# Altium PCB Jetson AGX Xavier Carrier Board.PcbDoc (part 3 of 4)
Units mil, origin at the board's own origin, x right, y up, seen from the top; angles counter-clockwise.
Board outline 6000 x 4000 mil, 10 copper layers (Top Layer, Int1 (GND), Int2 (PWR), Int3 (Sign), Int4 (GND, Int5 (GND), Int6 (Sign), Int7 (PWR), Int8 (GND), Bottom Layer), stack 61.78 mil thick; 553 components, 749 nets, 2510 pads, 297 vias.
Unrouted connection lines stored in the file: 1324.
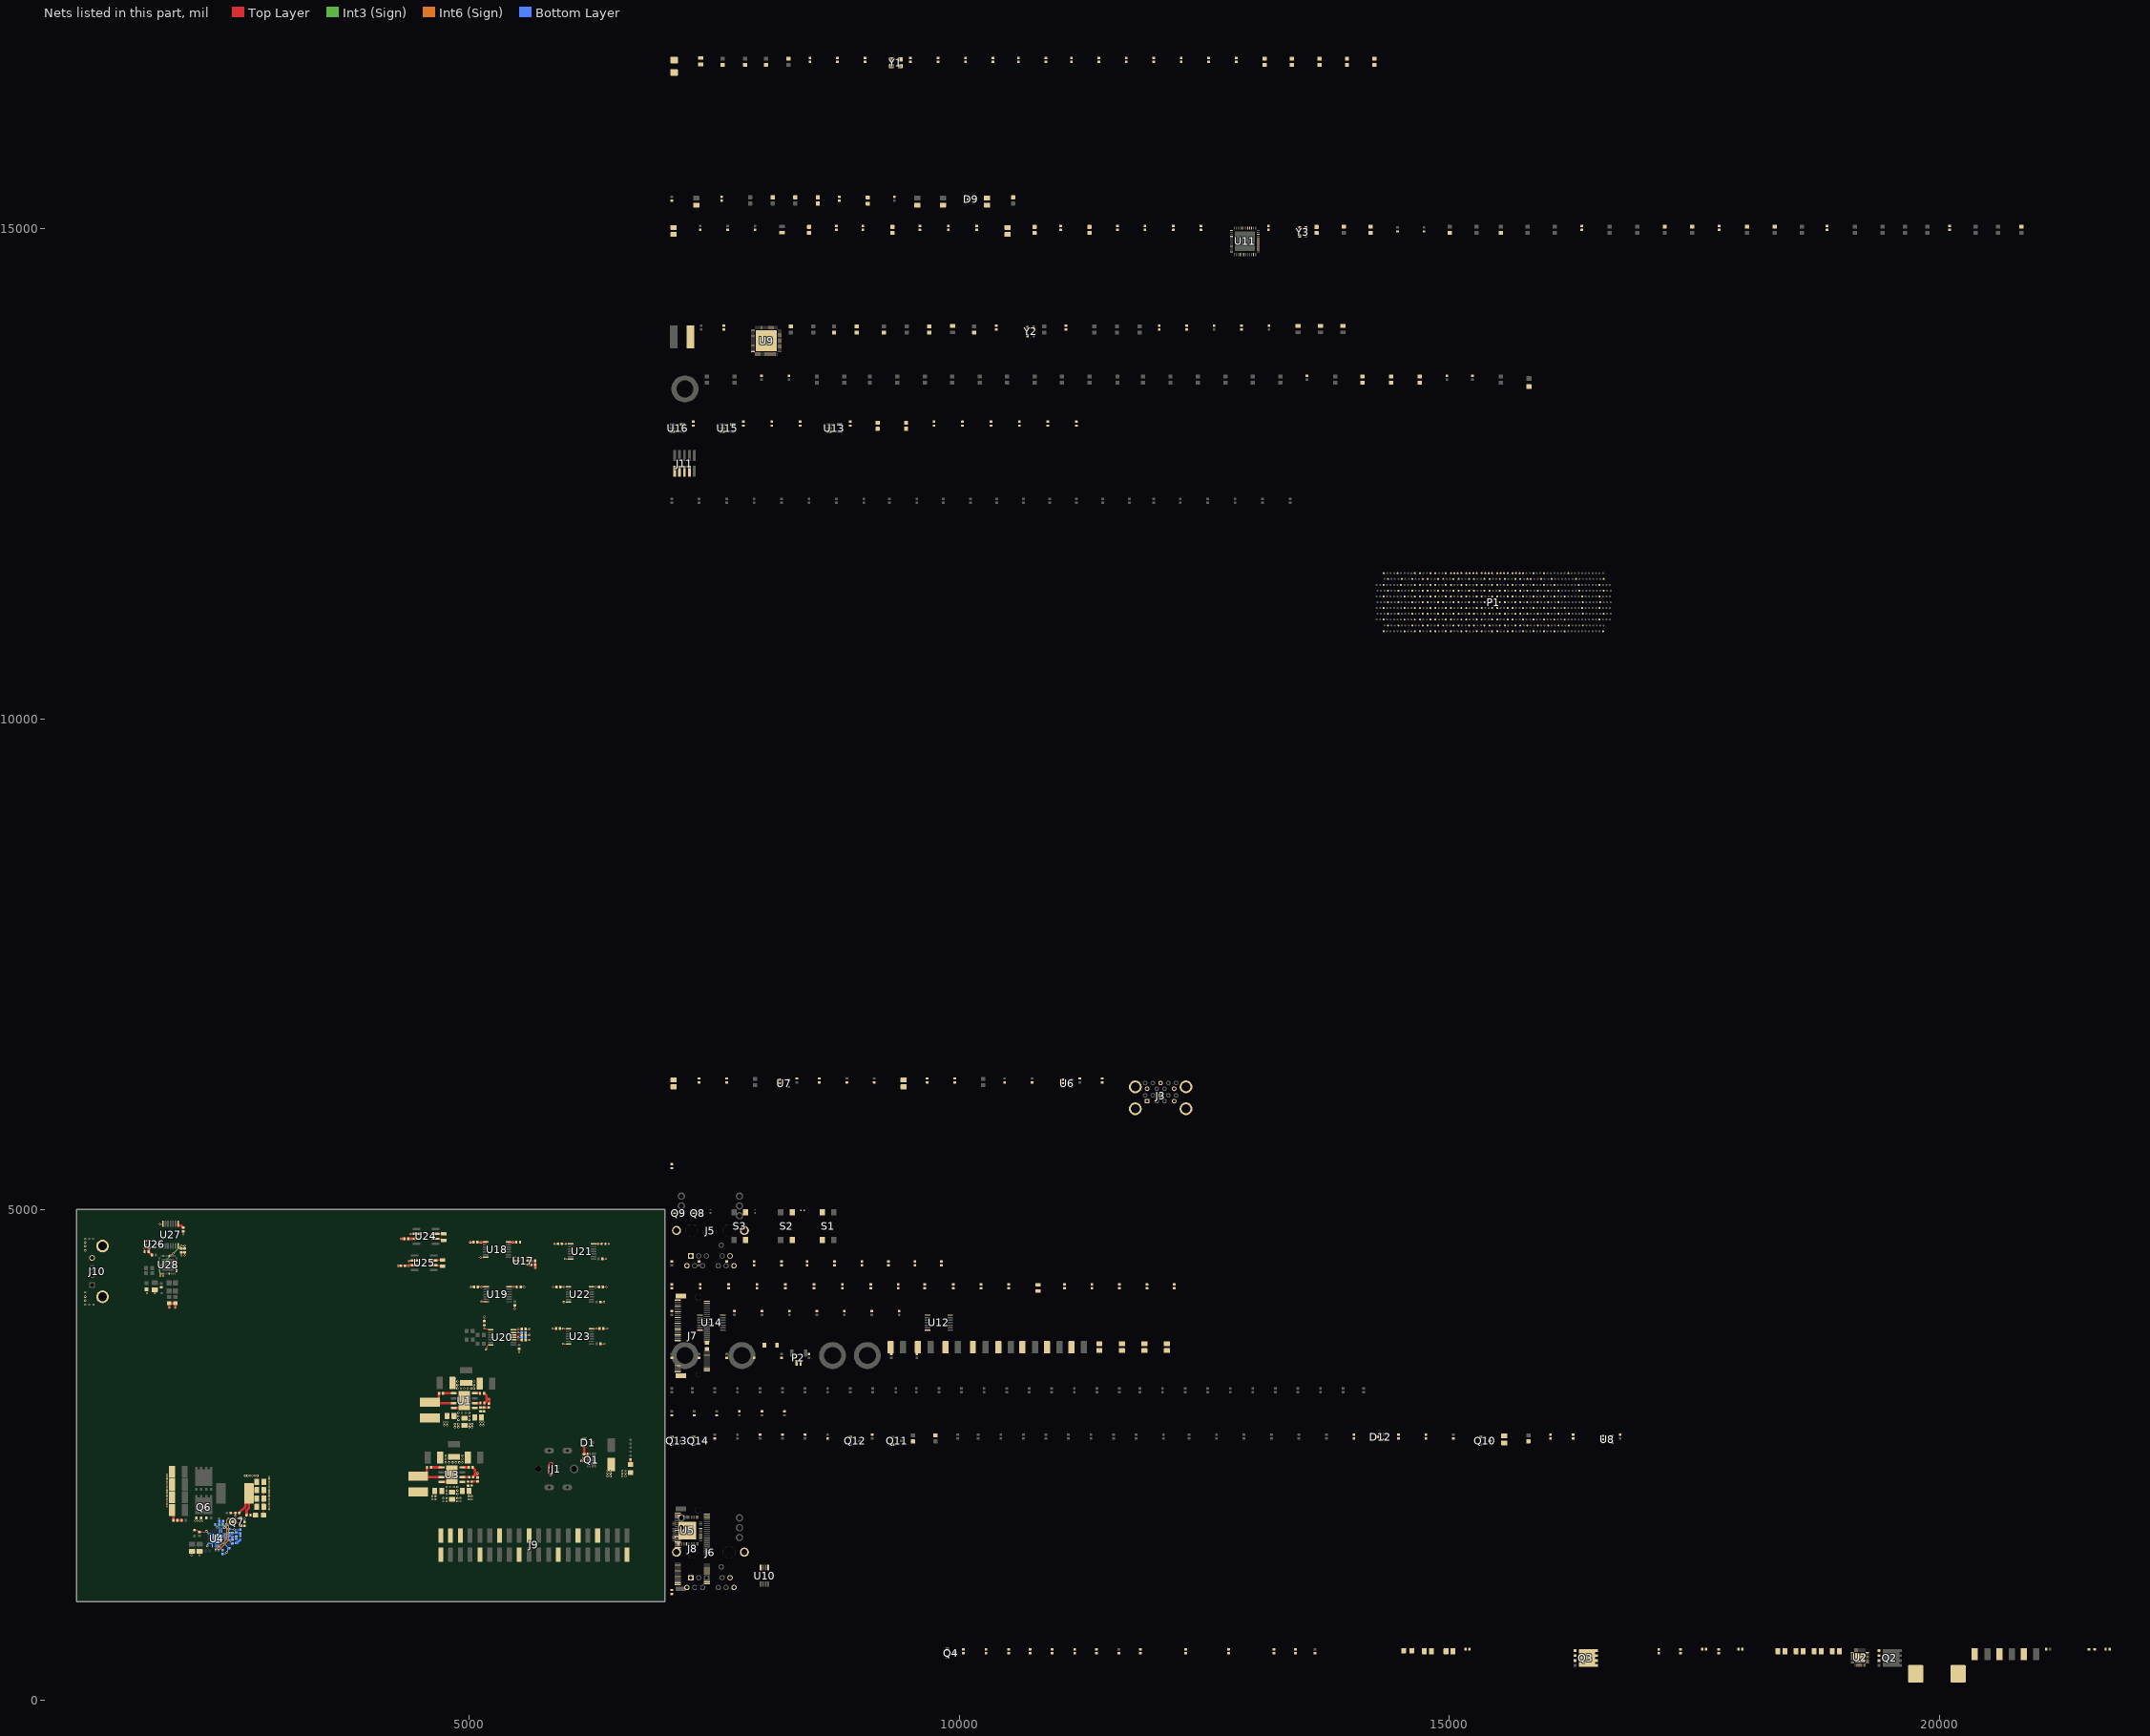
[diagram p11: the nets of this part, all layers, seen from the top]

## Part data (continued)
C219 C220 C228 C231: "Ceramic Capacitor, Multilayer, Ceramic, 16V, 5% +Tol, 5% -Tol, X7R, 15% TC, 0.01uF, Surface Mount, 0402", Capacitance=10nF, Capacitor Type=Ceramic, Manufacturer=KEMET, Manufacturer Part Number=C0402C103J4RACTU, Max Operating Temperature=125°C, Min Operating Temperature=-55°C, Negative Tolerance=5%, Package Shape=Rectangular, Package Style=SMTMeter, Rated DC Voltage (URdc)=16V, Supplier Part Number 1=399-1039-1-ND, Temperature Characteristics Code=X7R, Category="Ceramic Capacitors", ComponentLink1Description=https://datasheet.ciiva.com:443/pdfs/VipMasterIC/IC/KEME/KEME-S-A0008991654/KEME-S-A0008991654-1.pdf?src-supplier=IHS+Markit, ComponentLink1URL=https://datasheet.ciiva.com:443/pdfs/VipMasterIC/IC/KEME/KEME-S-A0008991654/KEME-S-A0008991654-1.pdf?src-supplier=IHS+Markit, ComponentLink2Description=https://datasheet.ciiva.com/14593/70095383-14593069.pdf?src-supplier=Allied+Electronics, ComponentLink2URL=https://datasheet.ciiva.com/14593/70095383-14593069.pdf?src-supplier=Allied+Electronics, ComponentLink3Description=https://datasheet.ciiva.com/14604/70095383-14604557.pdf?src-supplier=Allied+Electronics, ComponentLink3URL=https://datasheet.ciiva.com/14604/70095383-14604557.pdf?src-supplier=Allied+Electronics, ComponentLink4Description=https://datasheet.ciiva.com/7747/kem-c1002-x7r-smd-7747611.pdf?src-supplier=Element14, ComponentLink4URL=https://datasheet.ciiva.com/7747/kem-c1002-x7r-smd-7747611.pdf?src-supplier=Element14, ComponentLink5Description=https://datasheet.ciiva.com/46448/1851736-46448647.pdf?src-supplier=Element14, ComponentLink5URL=https://datasheet.ciiva.com/46448/1851736-46448647.pdf?src-supplier=Element14, ComponentLink6Description=https://datasheet.ciiva.com/28645/1851736-28645374.pdf?src-supplier=Element14, ComponentLink6URL=https://datasheet.ciiva.com/28645/1851736-28645374.pdf?src-supplier=Element14, Dielectric Material=Ceramic, Height=0.5mm, JESD-609 Code=e3, Length=1mm, Mount="Surface Mount", Multilayer=Yes, Number of Pins=2, Packaging="Tape and Reel", Positive Tolerance=5%, Pricing 1="1=0.10000, 10=0.04000, 50=0.02200, 100=0.01800, 500=0.01288, 1000=0.01012, 2500=0.00920, 5000=0.00846 (USD)", REACH SVHC=Yes, RoHS=Yes, RoHS Compliant=Yes, Size Code=0402, Stock 1=29300, Supplier 1=Digi-Key, Terminal Finish=Nickel, Termination=Wraparound, Width=0.5mm
C248: "CAP CER 0.1UF 16V X7R 0603", Dielectric=X7R, Manufacturer 1=Yageo, Manufacturer Part Number 1=CC0603KRX7R7BB104, Package/Footprint=0603, Supplier Part Number 1=311-1088-1-ND, Voltage Rating=16V, Supplier 1=Digi-Key
C250 C251 C253 C254 C255 C256 C257 C258 C259 C260 C261 C262: "CAP CER 0.1UF 10V X7R 0402", Manufacturer 1="Murata Electronics", Manufacturer Part Number 1=GRM155R71A104KA01D, Package/Footprint=0402, Supplier Part Number 1=490-6321-1-ND, Voltage Rating=10V, Supplier 1=Digi-Key
C252 C268: "CAP CER 1UF 25V X5R 0402", Manufacturer 1="TDK Corporation", Manufacturer Part Number 1=C1005X5R1E105K050BE, Package=0402, Supplier Part Number 1=445-175215-1-ND, Voltage=25V, Supplier 1=Digi-Key
C269: "CAP CER 4.7UF 16V X6S 0603", Dielectric=X6S, Manufacturer 1="Murata Electronics", Manufacturer Part Number 1=GRM188C81C475KE11D, Package=0603, Supplier Part Number 1=490-13362-1-ND, Voltage Rating=16V, Mounting Type=SMD, Supplier 1=Digi-Key
D1: "DIODE ZENER 27V 250MW SOT23", Forward Voltage=0.9V, Manufacturer 1="Nexperia USA Inc.", Manufacturer Part Number 1=BZX84-C27,215, Supplier Part Number 1=1727-5026-2-ND, Working Voltage=27V, Supplier 1=Digi-Key
D2 D4 D6 D14 D15 D16: "LED GREEN DIFFUSED 0805 SMD", Forward Voltage Drop=2.2V, Manufacturer 1=OSRAM, Manufacturer Part Number 1="LG R971-KN-1", Package/Footprint=0805, Supplier Part Number 1=475-1410-1-ND, Mounting Type=SMD, Supplier 1=Digi-Key
D3 D5: library part DIO_30V_200mA, "Diode Super Barrier 30 V 200mA Surface Mount SOD-523", Manufacturer 1="Diodes Incorporated", Supplier Part Number 1=SBR0230T5-7TR-ND, Manufacturer Part Number 1=SBR0230T5-7, Supplier 1=Digi-Key
D7: "DIODE ZENER 2.7V 500MW SOD123", Forward Voltage="900mV @ 10mA", Manufacturer 1="On Semiconductor", Package=SOD-123, Power - Max=500mW, Voltage - Zener=2.7V
D8 D10 D11: "TVS DIODE 5VWM 12.3VC SOD923", Clamping Voltage-Max=12.3V, Manufacturer 1="ON Semiconductor", Manufacturer Part Number 1=ESD9X5.0ST5G, Min Breakdown Voltage=6.2V, Supplier Part Number 1=ESD9X5.0ST5GOSCT-ND, Supplier 1=Digi-Key
D9: library part DIODE_30V_SOT323, "Diode Array 1 Pair Common Cathode Schottky 30 V 200mA (DC) Surface Mount SC-70, SOT-323", Built_By=EMA_Anthony, Copyright="Copyright (C) 2016 Accelerated Designs. All rights reserved", Manufacturer_Part_Number=BAT54CW-7-F, RefDes=RefDes, SourceLibrary=Diodes_Inc_2018-12-15, Type=DEV, Vendor="Diodes Inc"
D12: "DIODE ARRAY SCHOTTKY 70V SOT323", Current - Average Rectified (Io) (per diode)=70mA, Current - Reverse Leakage @ Vr="100nA @ 50V", Manufacturer 1="Diodes Incorporated", Package=SOT-323, Supplier Part Number 1=BAS70W-05FDICT-ND, Voltage - DC Reverse (Vr) (Max)=70V, Voltage - Forward (Vf) (Max) @ If="1V @ 15mA", Diode Configuration="1 Pair Common Cathode", Diode Type=Schottky, Manufacturer Part Number 1=BAS70W-05-7-F, Supplier 1=Digi-Key
H1 H2 H3 H4 M1: "ROUND STANDOFF M3X0.5 STEEL 4MM", Manufacturer 1="Würth Elektronik", Manufacturer Part Number 1=9774040360R, Supplier Part Number 1=732-5271-1-ND, Supplier 1=Digi-Key
J1: "CONN PWR JACK 2.5X5.5MM SOLDER", Current Rating=10A, Manufacturer 1="CUI Devices", Manufacturer Part Number 1=PJ-082BH, Supplier Part Number 1=CP-082BHCT-ND, Voltage Rating=24VDC, Supplier 1=Digi-Key
J3: "CONN RCPT USB3.0 TYPEA STACK R/A", Current Rating="0.25A, 1.8A", Manufacturer 1=Molex, Manufacturer Part Number 1=0484060003, Supplier Part Number 1=WM10420-ND, Voltage Rating=30VAC/DC, Mounting Type="Through Hole, Right Angle", Number of Ports=2, Specifications="USB 3.2 Gen 1", Supplier 1=Digi-Key
J5 J6: "1 Port RJ45 Magjack Connector Through Hole 10/100/1000 Base-T, AutoMDIX", Package="Custom Package Pulse Electronics Network", Digi-Key_Part_Number=553-1852-ND, Digi-Key_Purchase_URL=https://www.digikey.com/product-detail/en/pulse-electronics-network/J0G-0003NL/553-1852-ND/2264761?utm_source=snapeda&utm_medium=aggregator&utm_campaign=symbol, MF="Pulse Electronics", MP=J0G-0003NL, SnapEDA_Link=https://www.snapeda.com/parts/J0G-0003NL/Pulse%20Electronics%20Network/view-part/368728/?ref=snap
J7: "CONN M.2 FEMALE 67POS 0.020 GOLD", Manufacturer 1="TE Connectivity", Supplier Part Number 1=A115900CT-ND, Gender=Female, Manufacturer Part Number 1=2199119-4, Number of Positions=67, Pitch="0.020\" (0.50mm)", Supplier 1=Digi-Key
J8: "Card Edge Connector, 67 Contact(s), 2 Row(s), Female, Right Angle, 0.019 inch Pitch, Locking, Black Insulator, Socket", Manufacturer="TE Connectivity", Manufacturer Part Number=1-2199119-5, Supplier Part Number 1=A115902CT-ND, Category="Card Edge Connectors", ComponentLink1Description=https://datasheet.ciiva.com:443/pdfs/VipMasterIC/IC/TYEL/TYEL-S-A0008646546/TYEL-S-A0008667243-1.pdf?src-supplier=IHS+Markit, ComponentLink1URL=https://datasheet.ciiva.com:443/pdfs/VipMasterIC/IC/TYEL/TYEL-S-A0008646546/TYEL-S-A0008667243-1.pdf?src-supplier=IHS+Markit, ComponentLink2Description=https://datasheet.ciiva.com/18495/eng-cd-2199119-c-c-2199119-c-18495963.pdf?src-supplier=Digi-Key, ComponentLink2URL=https://datasheet.ciiva.com/18495/eng-cd-2199119-c-c-2199119-c-18495963.pdf?src-supplier=Digi-Key, ComponentLink3Description=https://datasheet.ciiva.com/18495/eng-cd-2199119-c-c-2199119-c-18495964.pdf?src-supplier=Digi-Key, ComponentLink3URL=https://datasheet.ciiva.com/18495/eng-cd-2199119-c-c-2199119-c-18495964.pdf?src-supplier=Digi-Key, ComponentLink4Description=https://datasheet.ciiva.com/18495/eng-cd-2199119-c-c-2199119-c-18495965.pdf?src-supplier=Digi-Key, ComponentLink4URL=https://datasheet.ciiva.com/18495/eng-cd-2199119-c-c-2199119-c-18495965.pdf?src-supplier=Digi-Key, Connector Type="CARD EDGE CONNECTOR", Pricing 1="1=1.28000, 10=1.12400, 25=1.05760, 50=1.01340, 100=0.96940, 250=0.88128, 500=0.79314 (USD)", REACH SVHC=Yes, RoHS=Yes, RoHS Compliant=Yes, Stock 1=13599, Supplier 1=Digi-Key
J9: "CONN HEADER SMD 40POS 2.54MM", Manufacturer 1="Samtec Inc.", Supplier Part Number 1=SAM14896CT-ND, Manufacturer Part Number 1=TSM-120-01-S-DV-P-TR, Supplier 1=Digi-Key
J10: "USB-A (USB TYPE-A) USB 2.0 Receptacle Connector 4 Position Through Hole, Right Angle", Manufacturer 1=GCT, Manufacturer Part Number 1=USB1130-15-A, Supplier Part Number 1=2073-USB1130-15-ACT-ND, Supplier 1=Digi-Key
J11: "CONN HEADER SMD 10POS 1.27MM", Manufacturer 1=Samtec, Manufacturer Part Number 1=FTSH-105-01-F-DV-K, Supplier Part Number 1=SAM8796-ND, Mounting Type=SMD, Pitch=1.27mm, Supplier 1=Digi-Key
L1: "FIXED IND 1UH 29A 2.5 MOHM SMD", Current Rating=29A, DC Resistance (DCR)=2.5mOhm, Inductance=1μH, Inductance Tolerance=20%, Manufacturer 1="Bourns Inc.", Manufacturer Part Number 1=SRP1250-1R0M, Saturation Current=50A, Supplier Part Number 1=SRP1250-1R0MCT-ND, Test Frequency=100kHz, Mounting Type=SMD, Supplier 1=Digi-Key
L2 L4: "FIXED IND 3.3UH 5A 21 MOHM SMD", Current Rating=5A, DC Resistance (DCR)=21mOhm, Inductance=3.3μH, Inductance Tolerance=30%, Manufacturer 1="Bourns Inc.", Manufacturer Part Number 1=SRN6045TA-3R3Y, Saturation Current=7.8A, Supplier Part Number 1=SRN6045TA-3R3YCT-ND, Test Frequency=1MHz, Mounting Type=SMD, Supplier 1=Digi-Key
L3: "FIXED IND 2.2UH 14.5A 9.41 MOHM", Current Rating=14.5A, DC Resistance (DCR)=9.41mOhm, Inductance=2.2μH, Inductance Tolerance=20%, Manufacturer 1="Vishay Dale", Manufacturer Part Number 1=IHLP3232DZER2R2M11, Saturation Current=10.2A, Supplier Part Number 1=541-1350-1-ND, Test Frequency=100kHz, Mounting Type=SMD, Supplier 1=Digi-Key
L5: "FIXED INDUCTOR 3.3UH SMD", Current Rating=1.9A, Inductance=3.3uH, Inductance Tolerance=20%, Manufacturer 1=KEMET, Manufacturer Part Number 1=L0603B3R3MDWFT, Saturation Current=2.3A, Self Resonant Frequency=13MHz, Supplier Part Number 1=SRN6045-150MCT-ND, Test Frequency=100kHz, ComponentLink7Description=https://datasheet.ciiva.com/4954/srn6045-70649-4954231.pdf?src-supplier=Mouser, ComponentLink7URL=https://datasheet.ciiva.com/4954/srn6045-70649-4954231.pdf?src-supplier=Mouser, ComponentLink8Description=https://datasheet.ciiva.com/1056/srn6045-1056106.pdf?src-supplier=Digi-Key, ComponentLink8URL=https://datasheet.ciiva.com/1056/srn6045-1056106.pdf?src-supplier=Digi-Key, ComponentLink9Description=https://datasheet.ciiva.com/1056/srn6045-1056108.pdf?src-supplier=Digi-Key, ComponentLink9URL=https://datasheet.ciiva.com/1056/srn6045-1056108.pdf?src-supplier=Digi-Key, Composition=Wirewound, DC Current=1.9A, Military Standard=Not, Number of Pins=2, RMS Current (Irms)=1.9A, Shielding=Shielded, Supplier 1=Digi-Key
P1: "CONN SELF-MATE 699POS SMD GOLD", Manufacturer 1=Molex, Manufacturer Part Number 1=203456-0003, Supplier Part Number 1=WM25528CT-ND, Supplier 1=Digi-Key
P2: library part SAMTEC_T1M-02-F-SV-L, "CONN HEADER SMD 2POS 1MM", Manufacturer 1=Samtec, Manufacturer Part Number 1=T1M-02-F-SV-L, Supplier Part Number 1=SAM15469CT-ND, Supplier 1=Digi-Key
Q1: "MOSFET P-CH 30V 70A POWERDI3333", Manufacturer 1="Diodes Incorporated", Manufacturer Part Number 1=DMP3007SFG-7, Package/Footprint=PowerDI3333-8, Power Dissipation (Max)="2.8W (Ta)", Supplier Part Number 1=DMP3007SFG-7DICT-ND, Id=70A, Mounting Type=SMD, Supplier 1=Digi-Key, Vdss=30V, Verified=No, Vgs (Max)=25V
Q2 Q3 Q5 Q6: "MOSFET N-CH 30V 60A 8VSON", Manufacturer 1="Texas Instruments", Manufacturer Part Number 1=CSD17577Q5AT, Package/Footprint=8-PowerTDFN, Supplier Part Number 1=296-38337-1-ND, Id=60A, Mounting Type=SMD, Supplier 1=Digi-Key, Vdss=30V, Verified=No, Vgs (Max)=±20V
Q4 Q7: "Bipolar (BJT) Transistor NPN 40 V 600 mA 250MHz 310 mW Surface Mount SOT-23-3", Current - Collector (Ic) (Max)=600mA, Current - Collector Cutoff (Max)=100nA, Frequency - Transition=250MHz, Manufacturer 1="Diodes Incorporated", Supplier Part Number 1=MMBT4401-FDICT-ND, Manufacturer Part Number 1=MMBT4401-7-F, Supplier 1=Digi-Key, Vce Saturation (Max) @ Ib, Ic="750mV @ 50mA, 500mA"
Q8 Q9: "MOSFET 2N-CH 30V 0.25A SOT-363", DS Breakdown Voltage-Min=30V, Manufacturer 1="ON Semiconductor", Manufacturer Part Number 1=NTJD4001NT1G, Supplier Part Number 1=NTJD4001NT1GOSCT-ND, Supplier 1=Digi-Key
Q10: "MOSFET N-CH 25V 260MA SOT23", Manufacturer 1="Diodes Incorporated", Package/Footprint=SOT-23, Supplier Part Number 1=DMG301NU-13DICT-ND, Id="260mA (Ta)", Manufacturer Part Number 1=DMG301NU-13, Mounting Type=SMD, Supplier 1=Digi-Key, Vdss=25V, Verified=No, Vgs (Max)=±8V
Q11 Q12 Q13 Q14: "MOSFET N-CH 60V 170MA SOT23", Manufacturer 1="Diodes Incorporated", Package/Footprint=SOT-23, Supplier Part Number 1=2N7002H-7DICT-ND, Id=170mA, Manufacturer Part Number 1=2N7002H-7, Mounting Type=SMD, Supplier 1=Digi-Key, Vdss=60V, Verified=No, Vgs (Max)=±20V
R1 R2 R3 R4 R6 R20: "Fixed Resistor, Metal Glaze/thick Film, 0.063W, 1000ohm, 50V, 1% +/-Tol, 100ppm/Cel, Surface Mount, 0402", Manufacturer="Stackpole Electronics", Manufacturer Part Number=RMCF0402FT1K00, Max Operating Temperature=155°C, Min Operating Temperature=-55°C, Package Height=0.3mm, Package Length=1mm, Package Shape=Rectangular, Package Style=SMTMeter, Package Width=0.5mm, Rated Power Dissipation (P)=63mW, Rated Temperature=70°C, Resistance=1kΩ, Resistor Type="FIXED RESISTOR", Supplier Part Number 1=RMCF0402FT1K00CT-ND, Temperature Coefficient=100ppm/°C, Tolerance=1%, Working Voltage=50V, Category="Chip SMD Resistors", ComponentLink1Description=https://datasheet.ciiva.com:443/pdfs/VipMasterIC/IC/SEIE/SEIE-S-A0009541969/SEIE-S-A0009541969-1.pdf?src-supplier=IHS+Markit, ComponentLink1URL=https://datasheet.ciiva.com:443/pdfs/VipMasterIC/IC/SEIE/SEIE-S-A0009541969/SEIE-S-A0009541969-1.pdf?src-supplier=IHS+Markit, ComponentLink2Description=https://datasheet.ciiva.com/15193/getdatasheetpartid-365385-15193418.pdf?src-supplier=Verical, ComponentLink2URL=https://datasheet.ciiva.com/15193/getdatasheetpartid-365385-15193418.pdf?src-supplier=Verical, ComponentLink3Description=https://datasheet.ciiva.com/24336/sei-rmcp-24336266.pdf?src-supplier=Onlinecomponents.com, ComponentLink3URL=https://datasheet.ciiva.com/24336/sei-rmcp-24336266.pdf?src-supplier=Onlinecomponents.com, Construction=Rectangular, JESD-609 Code=e3, Mount="Surface Mount", Number of Pins=2, Packaging="Tape and Reel", Pricing 1="1=0.10000, 10=0.01500, 100=0.00610, 1000=0.00274, 2500=0.00238, 5000=0.00197 (USD)", REACH SVHC=Yes, Reference Standard=AEC-Q200, RoHS=Yes, RoHS Compliant=Yes, Size Code=0402, Stock 1=277, Supplier 1=Digi-Key, Technology="METAL GLAZE/THICK FILM", Terminal Finish=Nickel, Termination=Wraparound
R5 R19: "RES 2.21 OHM 1% 1/16W 0402", Manufacturer 1=Yageo, Manufacturer Part Number 1=RMCF0402FT2R21, Package/Footprint=0402, Power="0.063W, 1/16W", Supplier Part Number 1=RMCF0402FT2R21CT-ND, Tolerance=1%, Mounting Type=SMD, Supplier 1=Digi-Key
R7: "RES SMD 2.15K OHM 1% 1/16W 0402", Manufacturer 1=Yageo, Manufacturer Part Number 1=RC0402FR-072K15L, Package/Footprint=0402, Power="0.063W, 1/16W", Supplier Part Number 1=YAG3097CT-ND, Tolerance=1%, Mounting Type=SMD, Supplier 1=Digi-Key
R8: "RES 32K OHM 1% 1/16W 0402", Manufacturer 1="Vishay Dale", Manufacturer Part Number 1=RN73H1ETTP3202F50, Package/Footprint=0402, Supplier Part Number 1=2019-RN73H1ETTP3202F50CT-ND, Tolerance=1%, Supplier 1=Digi-Key
R9 R23: "RES SMD 20K OHM 1% 1/16W 0402", Manufacturer 1=Yageo, Manufacturer Part Number 1=RC0402FR-0720KL, Package/Footprint=0402, Power="0.063W, 1/16W", Supplier Part Number 1=311-20.0KLRCT-ND, Tolerance=1%, Mounting Type=SMD, Supplier 1=Digi-Key
R10 R24: "RES SMD 56.2K OHM 1% 1/16W 0402", Manufacturer 1=Yageo, Manufacturer Part Number 1=RC0402FR-0756K2L, Package/Footprint=0402, Power="0.063W, 1/16W", Supplier Part Number 1=YAG3187CT-ND, Tolerance=1%, Mounting Type=SMD, Supplier 1=Digi-Key
R11 R13: "RES SMD 4.53K OHM 1% 1/16W 0402", Manufacturer 1=Yageo, Manufacturer Part Number 1=RC0402FR-074K53L, Package/Footprint=0402, Supplier Part Number 1=311-4.53KLRCT-ND, Tolerance=1%, Supplier 1=Digi-Key
R12: "RES SMD 191 OHM 1% 1/16W 0402", Manufacturer 1=Yageo, Manufacturer Part Number 1=RC0402FR-07191RL, Package/Footprint=0402, Power="0.063W, 1/16W", Supplier Part Number 1=YAG3023CT-ND, Tolerance=1%, Mounting Type=SMD, Supplier 1=Digi-Key
R14: "RES 23.7K OHM 1% 1/16W 0402", Manufacturer 1="Stackpole Electronics Inc", Manufacturer Part Number 1=RMCF0402FT23K7, Package/Footprint=0402, Power="0.063W, 1/16W", Supplier Part Number 1=RMCF0402FT23K7CT-ND, Tolerance=1%, Mounting Type=SMD, Supplier 1=Digi-Key
R15 R29: "RES 11K OHM 1% 1/16W 0402", Manufacturer 1="Stackpole Electronics Inc", Manufacturer Part Number 1=RMCF0402FT11K0, Package/Footprint=0402, Power="0.063W, 1/16W", Supplier Part Number 1=RMCF0402FT11K0CT-ND, Tolerance=1%, Mounting Type=SMD, Supplier 1=Digi-Key
R16: "RES SMD 2.87K OHM 1% 1/16W 0402", Manufacturer 1=Yageo, Manufacturer Part Number 1=RC0402FR-072K87L, Package/Footprint=0402, Supplier Part Number 1=YAG3105CT-ND, Tolerance=1%, Supplier 1=Digi-Key
R17 R31: "RES SMD 86.6K OHM 1% 1/16W 0402", Manufacturer 1=Yageo, Manufacturer Part Number 1=RC0402FR-0786K6L, Package/Footprint=0402, Power="0.063W, 1/16W", Supplier Part Number 1=YAG3249CT-ND, Tolerance=1%, Mounting Type=SMD, Supplier 1=Digi-Key
R18: "RES 2.74K OHM 1% 1/16W 0402", Manufacturer 1="Stackpole Electronics Inc", Manufacturer Part Number 1=RMCF0402FT2K74, Package/Footprint=0402, Power="0.063W, 1/16W", Supplier Part Number 1=RMCF0402FT2K74CT-ND, Tolerance=1%, Mounting Type=SMD, Supplier 1=Digi-Key
R21: "RES SMD 845 OHM 1% 1/16W 0402", Manufacturer 1="Vishay Dale", Manufacturer Part Number 1=CRCW0402845RFKED, Package/Footprint=0402, Power="0.063W, 1/16W", Supplier Part Number 1=541-845LCT-ND, Tolerance=1%, Mounting Type=SMD, Supplier 1=Digi-Key
R22: "RES SMD 13.7K OHM 1% 1/16W 0402", Manufacturer 1=Yageo, Manufacturer Part Number 1=RC0402FR-0713K7L, Package/Footprint=0402, Power="0.063W, 1/16W", Supplier Part Number 1=311-13.7KLRCT-ND, Tolerance=1%, Mounting Type=SMD, Supplier 1=Digi-Key
R25 R28: "RES 7.87K OHM 1% 1/16W 0402", Manufacturer 1="Vishay Dale", Manufacturer Part Number 1=RMCF0402FT7K87, Package/Footprint=0402, Power="0.063W, 1/16W", Supplier Part Number 1=RMCF0402FT7K87CT-ND, Tolerance=1%, Mounting Type=SMD, Supplier 1=Digi-Key
R26: "RES SMD 124 OHM 1% 1/16W 0402", Manufacturer 1="Vishay Dale", Manufacturer Part Number 1=RC0402FR-07124RL, Package/Footprint=0402, Power="0.063W, 1/16W", Supplier Part Number 1=311-124LRCT-ND, Tolerance=1%, Mounting Type=SMD, Supplier 1=Digi-Key
R27: "RES SMD 24K OHM 1% 1/16W 0402", Manufacturer 1=Yageo, Manufacturer Part Number 1=RC0402FR-0724KL, Package/Footprint=0402, Power="0.063W, 1/16W", Supplier Part Number 1=311-24KLRCT-ND, Tolerance=1%, Mounting Type=SMD, Supplier 1=Digi-Key
R30: "RES SMD 3.48K OHM 1% 1/16W 0402", Manufacturer 1="Vishay Dale", Manufacturer Part Number 1=RC0402FR-073K48L, Package/Footprint=0402, Power="0.063W, 1/16W", Supplier Part Number 1=YAG3148CT-ND, Tolerance=1%, Mounting Type=SMD, Supplier 1=Digi-Key
R32: "RES 4.42K OHM 1% 1/16W 0402", Manufacturer 1="Stackpole Electronics Inc", Manufacturer Part Number 1=RMCF0402FT4K42, Package/Footprint=0402, Power="0.063W, 1/16W", Supplier Part Number 1=RMCF0402FT4K42CT-ND, Tolerance=1%, Mounting Type=SMD, Supplier 1=Digi-Key
R33 R81 R82 R83 R84 R88 R91 R143 R145 R147 R148 R149 R150 R151 R152 R153 R154 R155 R156 R157 R158 R159 R160 R161 R162 R184 R187: "RES 0 OHM JUMPER 1/10W 0603", Manufacturer 1=Yageo, Manufacturer Part Number 1=RC0603JR-070RL, Package=0603, Supplier Part Number 1=311-0.0GRCT-ND, Mounting Type=SMD, Supplier 1=Digi-Key
R34 R35 R36 R37 R38 R39 R47 R113 R114 R117 R118 R119 R120 R121 R122 R123 R124 R125 R126 R127 R132 R133 R134 R135 R136 R137 R138 R139 R167 R183 R188 R189 R190 R191 R192 R193 R194 R195 R196 R197: "RES 10K OHM 1% 1/16W 0402", Manufacturer 1="Samsung Electro-Mechanics", Manufacturer Part Number 1=RC1005F103CS, Package=0402, Resistance=10kΩ, Supplier Part Number 1=1276-3431-1-ND, Tolerance=1%, Supplier 1=Digi-Key
R40 R44: library part RES_4.7kΩ_0603_5%, "RES 4.7K OHM 5% 1/10W 0603", Manufacturer 1=Yageo, Manufacturer Part Number 1=RC0603JR-074K7L, Supplier Part Number 1=311-4.7KGRCT-ND, Supplier 1=Digi-Key
R41 R46 R76 R77: "RES SMD 100K OHM 5% 1/10W 0402", Manufacturer 1="Panasonic Electronic Components", Manufacturer Part Number 1=ERJ-2GEJ104X, Package/Footprint=0402, Power="0.1W, 1/10W", Supplier Part Number 1=P100KJCT-ND, Tolerance=5%, Mounting Type=SMD, Supplier 1=Digi-Key
R42: "RES 10K OHM 5% 1/10W 0603", Manufacturer 1=Yageo, Manufacturer Part Number 1=RC0603JR-0710KL, Package/Footprint=0603, Supplier Part Number 1=311-10KGRCT-ND, Mounting Type=SMD, Supplier 1=Digi-Key
R43: library part RES_100Ω_0603_1%, "RES 100 OHM 1% 1/10W 0603", Manufacturer 1=Yageo, Manufacturer Part Number 1=RC0603FR-07100RL, Supplier Part Number 1=311-100HRCT-ND, Supplier 1=Digi-Key
R45 R48 R54 R56 R59 R69 R70 R95 R96 R97 R98 R99 R100 R101 R102 R103 R104 R105 R106 R107 R108 R109 R111 R146 R165 R166 R174 R175 R176 R177: "RES 0 OHM JUMPER 1/10W 0603", Manufacturer 1=Yageo, Manufacturer Part Number 1=RC0603JR-070RL, Package/Footprint=0603, Supplier Part Number 1=311-0.0GRCT-ND, Mounting Type=SMD, Supplier 1=Digi-Key
R49: library part RES_12kΩ_0603_1%, "RES 12K OHM 1% 1/10W 0603", Manufacturer 1="Vishay Dale", Manufacturer Part Number 1=CRCW060312K0FKEAC, Package=0603, Power=0.1W, Supplier Part Number 1=541-4046-1-ND, Tolerance=1%, Supplier 1=Digi-Key
R50 R51: "RES SMD 200K OHM 5% 1/10W 0603", Manufacturer 1="Panasonic Electronic Components", Manufacturer Part Number 1=ERJ-3GEYJ204V, Package/Footprint=0603, Supplier Part Number 1=P200KGCT-ND, Mounting Type=SMD, Supplier 1=Digi-Key
R52: library part RES_10MΩ_0805_5%, "RES 10M OHM 5% 1/8W 0805", Manufacturer 1=Yageo, Manufacturer Part Number 1=RC0805JR-0710ML, Supplier Part Number 1=311-10MARCT-ND, Supplier 1=Digi-Key
R53 R55 R58 R71 R73 R75 R141 R142 R144 R163 R164 R168 R169 R178 R179 R180: "RES SMD 10K OHM 1% 1/16W 0402", Manufacturer 1="Vishay Dale", Manufacturer Part Number 1=CRCW040210K0FKTD, Package/Footprint=0402, Power="0.063W, 1/16W", Supplier Part Number 1=541-2955-1-ND, Tolerance=1%, Mounting Type=SMD, Supplier 1=Digi-Key
R57: "RES 162K OHM 1% 1/16W 0402", Manufacturer 1="Panasonic Electronic Components", Manufacturer Part Number 1=RMCF0402FT162K, Package/Footprint=0402, Power="0.063W, 1/16W", Supplier Part Number 1=RMCF0402FT162KCT-ND, Tolerance=1%, Mounting Type=SMD, Supplier 1=Digi-Key
R60: "RES SMD 32.4K OHM 1% 1/10W 0402", Manufacturer 1="Panasonic Electronic Components", Manufacturer Part Number 1=ERJ-2RKF3242X, Package/Footprint=0402, Power="0.1W, 1/10W", Supplier Part Number 1=P32.4KLCT-ND, Tolerance=1%, Mounting Type=SMD, Supplier 1=Digi-Key
R61 R62 R63 R64 R65 R66 R67 R68: "RES 499 OHM 1% 1/16W 0402", Manufacturer 1="Stackpole Electronics Inc", Manufacturer Part Number 1=RMCF0402FT499R, Package/Footprint=0402, Power="0.063W, 1/16W", Supplier Part Number 1=RMCF0402FT499RCT-ND, Tolerance=1%, Mounting Type=SMD, Supplier 1=Digi-Key
R72 R74 R170 R171 R172 R173: "RES SMD 2.2K OHM 5% 1/10W 0402", Manufacturer 1="Panasonic Electronic Components", Manufacturer Part Number 1=ERJ-2GEJ222X, Package/Footprint=0402, Supplier Part Number 1=P2.2KJCT-ND, Mounting Type=SMD, Supplier 1=Digi-Key
R78 R79 R80 R85 R128: "Fixed Resistor, Thin Film, 0.1W, 10000ohm, 50V, 0.1% +/-Tol, 25ppm/Cel, Surface Mount, 0402", Manufacturer="Stackpole Electronics", Manufacturer 1=Panasonic, Manufacturer Part Number=RNCF0402BTE10K0, Manufacturer Part Number 1=ERJ-PB6B6043V, Max Operating Temperature=155°C, Min Operating Temperature=-55°C, Package Height=0.3mm, Package Length=1mm, Package Shape=Rectangular, Package Style=SMTMeter, Package Width=0.5mm, Rated Power Dissipation (P)=63mW, Rated Temperature=70°C, Resistance=10kΩ, Resistor Type="FIXED RESISTOR", Supplier Part Number 1=P20911CT-ND, Temperature Coefficient=25ppm/°C, Tolerance=0.1%, Working Voltage=25V, Additional Feature=PRECISION, Category="Chip SMD Resistors", ComponentLink1Description=https://datasheet.ciiva.com:443/pdfs/VipMasterIC/IC/SEIE/SEIE-S-A0009648208/SEIE-S-A0009648208-1.pdf?src-supplier=IHS+Markit, ComponentLink1URL=https://datasheet.ciiva.com:443/pdfs/VipMasterIC/IC/SEIE/SEIE-S-A0009648208/SEIE-S-A0009648208-1.pdf?src-supplier=IHS+Markit, ComponentLink2Description=https://www.seielect.com/catalog/SEI-Packaging.pdf?src-supplier=Digi-Key, ComponentLink2URL=https://www.seielect.com/catalog/SEI-Packaging.pdf?src-supplier=Digi-Key, ComponentLink3Description=https://www.seielect.com/Catalog/SEI-rncf.pdf?src-supplier=Avnet, ComponentLink3URL=https://www.seielect.com/Catalog/SEI-rncf.pdf?src-supplier=Avnet, Construction=Rectangular, JESD-609 Code=e3, Mount="Surface Mount", Number of Pins=2, Packaging="Tape and Reel", Pricing 2="1=0.36000, 10=0.25900, 100=0.10350, 1000=0.05100, 2500=0.04725, 5000=0.04275 (USD)", REACH SVHC=Yes, Reference Standard=AEC-Q200, RoHS=Yes, RoHS Compliant=Yes, Size Code=0402, Stock 2=76384, Supplier 1=Digi-Key, Supplier 2=Digi-Key, Supplier Part Number 2=RNCF0402BTE10K0CT-ND, Technology="THIN FILM", Terminal Finish=Nickel, Termination=Wraparound
R86 R89 R110 R112 R140 R185 R186: library part RES_220Ω_0603_5%, "RES 220 OHM 5% 1/10W 0603", Manufacturer 1=Yageo, Manufacturer Part Number 1=AC0603JR-07220RL, Package/Footprint=0603, Supplier Part Number 1=YAG3652CT-ND, Supplier 1=Digi-Key
R87 R115: library part RES_10MΩ_0603_5%, "RES 10M OHM 5% 1/10W 0603", Manufacturer 1="Vishay Dale", Manufacturer Part Number 1=CRCW060310M0JNEA, Supplier Part Number 1=541-10MGCT-ND, Supplier 1=Digi-Key
R90 R92 R116: "RES 6.04K OHM 1% 1/10W 0603", Manufacturer 1="Panasonic Electronic Components", Manufacturer Part Number 1=ERJ-PB3D6041V, Package/Footprint=0603, Supplier Part Number 1=P20372CT-ND, Mounting Type=SMD, Supplier 1=Digi-Key
R93 R129 R130 R131: "RES 1K OHM 1% 1/16W 0402", Manufacturer 1="Stackpole Electronics", Manufacturer Part Number 1=RMCF0402FT1K00, Package=0402, Supplier Part Number 1=RMCF0402FT1K00CT-ND, Tolerance=1%, Supplier 1=Digi-Key
R94: "RES 2.2K OHM 1% 1/10W 0603", Manufacturer 1=Yageo, Manufacturer Part Number 1=RC0603FR-072K2L, Package=0603, Supplier Part Number 1=311-2.20KHRCT-ND, Mounting Type=SMD, Supplier 1=Digi-Key